# Altium PCB PCB1.PcbDoc (part 3 of 5)
Units mil, origin at the board's own origin, x right, y up, seen from the top; angles counter-clockwise.
Board outline 6250.19 x 5128.14 mil, 2 copper layers (Top Layer, Bottom Layer); 140 components, 0 nets, 729 pads, 141 vias.
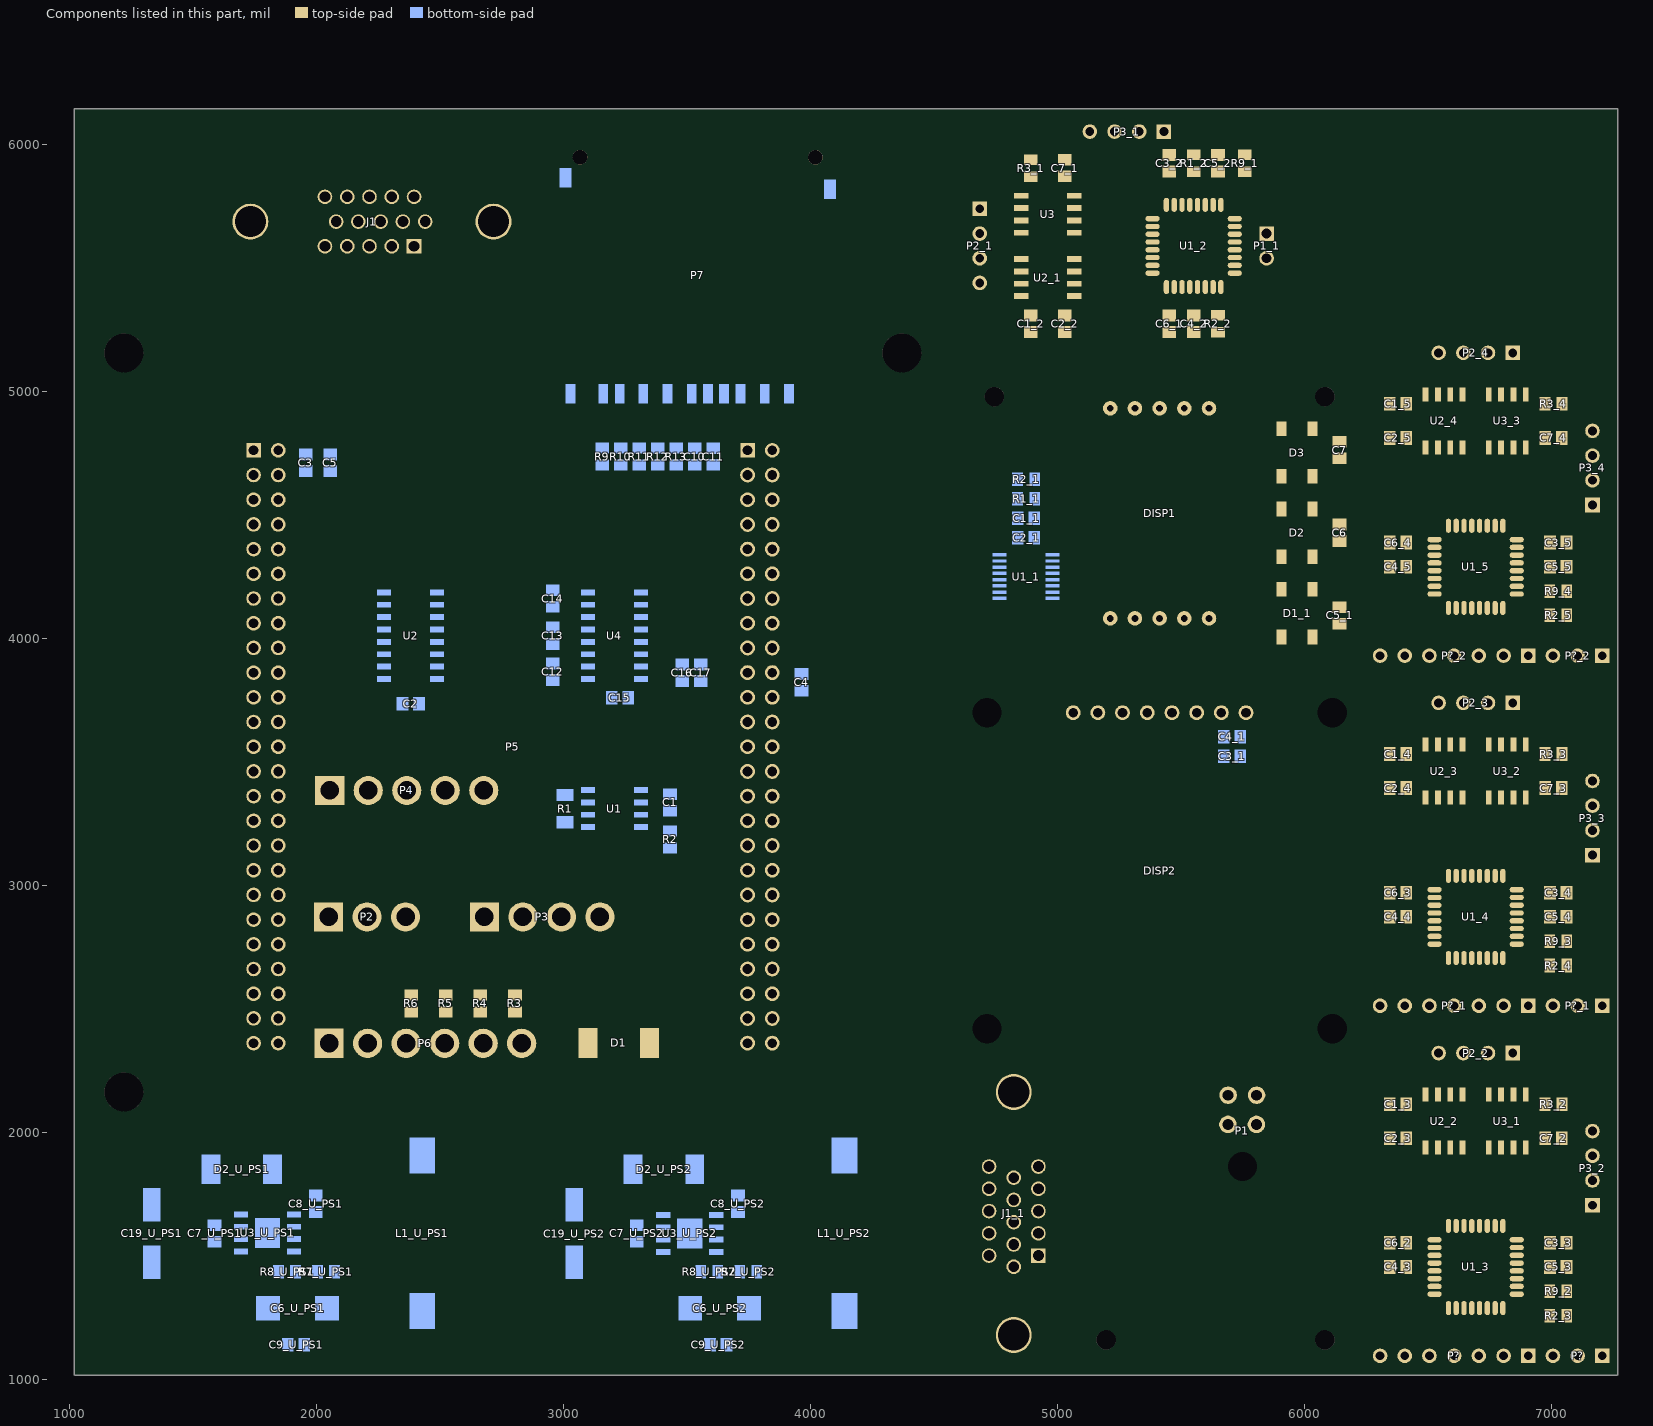
[diagram p3: the components of this part, seen from the top]

## Via types
v1: diameter 35.43/35.43 (per signal layer), hole 11.81, Top Layer to Bottom Layer, tented both sides, 115 vias
v2: diameter 47.24/47.24 (per signal layer), hole 19.68, Top Layer to Bottom Layer, tented both sides, 14 vias
v3: diameter 35.43, hole 11.81, Top Layer to Bottom Layer, tented both sides, 12 vias

## Nets (pads, with @x,y where several pads share a name; then routed paths per layer and width w, separated by ;. In a path a pad name is that pad's centre, name@x,y a point inside that pad or via, vN(x,y) a via of type N, cw(c..) or ccw(c..) an arc to the next point about the centre after c; other vN are vias at no path point) (continued)
copper on no net: (continued)
  Bottom Layer w1: 1342.35,3254.6 1342.35,3291.6 ; 1342.35,3314.6 1342.35,3384.6 ; 1342.35,3390.6 1342.35,3392.6 ; 1342.35,3431.6 1342.35,3455.6 ; 1342.35,3461.6 1342.35,3463.6 ; 1342.35,3501.6 1342.35,3628.6 ; 1343.35,3007.6 1343.35,3089.6 ; 1343.35,3136.6 1343.35,3160.6 ; 1343.35,3206.6 1343.35,3231.6 ; 1343.35,3254.6 1343.35,3291.6 ; 1343.35,3314.6 1343.35,3385.6 ; 1343.35,3390.6 1343.35,3393.6 ; 1343.35,3432.6 1343.35,3456.6 ; 1343.35,3461.6 1343.35,3464.6 ; 1343.35,3499.6 1343.35,3628.6 ; 1344.35,3007.6 1344.35,3091.6 ; 1344.35,3136.6 1344.35,3164.6 ; 1344.35,3202.6 1344.35,3231.6 ; 1344.35,3254.6 1344.35,3291.6 ; 1344.35,3314.6 1344.35,3385.6 ; 1344.35,3391.6 1344.35,3393.6 ; 1344.35,3433.6 1344.35,3456.6 ; 1344.35,3462.6 1344.35,3464.6 ; 1344.35,3498.6 1344.35,3628.6 ; 1345.35,3007.6 1345.35,3104.6 ; 1345.35,3134.6 1345.35,3171.6 ; 1345.35,3195.6 1345.35,3231.6 ; 1345.35,3252.6 1345.35,3291.6 ; 1345.35,3314.6 1345.35,3385.6 ; 1345.35,3391.6 1345.35,3394.6 ; 1345.35,3434.6 1345.35,3457.6 ; 1345.35,3463.6 1345.35,3465.6 ; 1345.35,3496.6 1345.35,3628.6 ; 1346.35,3007.6 1346.35,3385.6 ; 1346.35,3391.6 1346.35,3395.6 ; 1346.35,3436.6 1346.35,3458.6 ; 1346.35,3463.6 1346.35,3466.6 ; 1346.35,3495.6 1346.35,3628.6 ; 1347.35,3007.6 1347.35,3385.6 ; 1347.35,3391.6 1347.35,3395.6 ; 1347.35,3437.6 1347.35,3458.6 ; 1347.35,3464.6 1347.35,3466.6 ; 1347.35,3493.6 1347.35,3496.6 ; 1347.35,3500.6 1347.35,3628.6 ; 1348.35,3007.6 1348.35,3385.6 ; 1348.35,3392.6 1348.35,3396.6 ; 1348.35,3439.6 1348.35,3459.6 ; 1348.35,3464.6 1348.35,3467.6 ; 1348.35,3492.6 1348.35,3495.6 ; 1348.35,3500.6 1348.35,3628.6 ; 1349.35,3007.6 1349.35,3385.6 ; 1349.35,3392.6 1349.35,3397.6 ; 1349.35,3441.6 1349.35,3460.6 ; 1349.35,3465.6 1349.35,3467.6 ; 1349.35,3490.6 1349.35,3495.6 ; 1349.35,3501.6 1349.35,3628.6 ; 1350.35,3007.6 1350.35,3386.6 ; 1350.35,3392.6 1350.35,3398.6 ; 1350.35,3442.6 1350.35,3460.6 ; 1350.35,3465.6 1350.35,3467.6 ; 1350.35,3489.6 1350.35,3495.6 ; 1350.35,3501.6 1350.35,3628.6 ; 1351.35,3007.6 1351.35,3386.6 ; 1351.35,3392.6 1351.35,3399.6 ; 1351.35,3444.6 1351.35,3461.6 ; 1351.35,3466.6 1351.35,3468.6 ; 1351.35,3488.6 1351.35,3495.6 ; 1351.35,3501.6 1351.35,3628.6 ; 1352.35,3007.6 1352.35,3386.6 ; 1352.35,3392.6 1352.35,3400.6 ; 1352.35,3445.6 1352.35,3461.6 ; 1352.35,3467.6 1352.35,3468.6 ; 1352.35,3487.6 1352.35,3496.6 ; 1352.35,3501.6 1352.35,3628.6 ; 1353.35,3007.6 1353.35,3386.6 ; 1353.35,3392.6 1353.35,3401.6 ; 1353.35,3438.6 1353.35,3439.6 ; 1353.35,3447.6 1353.35,3462.6 ; 1353.35,3467.6 1353.35,3469.6 ; 1353.35,3486.6 1353.35,3496.6 ; 1353.35,3502.6 1353.35,3628.6 ; 1354.35,3007.6 1354.35,3386.6 ; 1354.35,3392.6 1354.35,3402.6 ; 1354.35,3439.6 1354.35,3441.6 ; 1354.35,3448.6 1354.35,3463.6 ; 1354.35,3468.6 1354.35,3469.6 ; 1354.35,3486.6 1354.35,3496.6 ; 1354.35,3502.6 1354.35,3628.6 ; 1355.35,3007.6 1355.35,3386.6 ; 1355.35,3392.6 1355.35,3403.6 ; 1355.35,3440.6 1355.35,3442.6 ; 1355.35,3450.6 1355.35,3463.6 ; 1355.35,3468.6 1355.35,3470.6 ; 1355.35,3485.6 1355.35,3497.6 ; 1355.35,3502.6 1355.35,3628.6 ; 1356.35,3007.6 1356.35,3386.6 ; 1356.35,3392.6 1356.35,3404.6 ; 1356.35,3442.6 1356.35,3443.6 ; 1356.35,3451.6 1356.35,3464.6 ; 1356.35,3469.6 1356.35,3470.6 ; 1356.35,3485.6 1356.35,3497.6 ; 1356.35,3502.6 1356.35,3628.6 ; 1357.35,3007.6 1357.35,3386.6 ; 1357.35,3392.6 1357.35,3405.6 ; 1357.35,3443.6 1357.35,3445.6 ; 1357.35,3452.6 1357.35,3464.6 ; 1357.35,3469.6 1357.35,3471.6 ; 1357.35,3484.6 1357.35,3497.6 ; 1357.35,3503.6 1357.35,3628.6 ; 1358.35,3007.6 1358.35,3387.6 ; 1358.35,3392.6 1358.35,3406.6 ; 1358.35,3444.6 1358.35,3446.6 ; 1358.35,3453.6 1358.35,3464.6 ; 1358.35,3470.6 1358.35,3471.6 ; 1358.35,3484.6 1358.35,3498.6 ; 1358.35,3503.6 1358.35,3628.6 ; 1359.35,3007.6 1359.35,3317.6 ; 1359.35,3319.6 1359.35,3387.6 ; 1359.35,3392.6 1359.35,3405.6 ; 1359.35,3446.6 1359.35,3448.6 ; 1359.35,3454.6 1359.35,3465.6 ; 1359.35,3470.6 1359.35,3472.6 ; 1359.35,3483.6 1359.35,3498.6 ; 1359.35,3503.6 1359.35,3628.6 ; 1360.35,3007.6 1360.35,3317.6 ; 1360.35,3323.6 1360.35,3387.6 ; 1360.35,3393.6 1360.35,3405.6 ; 1360.35,3447.6 1360.35,3449.6 ; 1360.35,3455.6 1360.35,3465.6 ; 1360.35,3470.6 1360.35,3472.6 ; 1360.35,3483.6 1360.35,3499.6 ; 1360.35,3504.6 1360.35,3628.6 ; 1361.35,3007.6 1361.35,3318.6 ; 1361.35,3326.6 1361.35,3387.6 ; 1361.35,3393.6 1361.35,3405.6 ; 1361.35,3449.6 1361.35,3450.6 ; 1361.35,3455.6 1361.35,3466.6 ; 1361.35,3471.6 1361.35,3472.6 ; 1361.35,3482.6 1361.35,3499.6 ; 1361.35,3504.6 1361.35,3628.6 ; 1362.35,3007.6 1362.35,3320.6 ; 1362.35,3329.6 1362.35,3387.6 ; 1362.35,3393.6 1362.35,3405.6 ; 1362.35,3450.6 1362.35,3452.6 ; 1362.35,3455.6 1362.35,3466.6 ; 1362.35,3471.6 1362.35,3473.6 ; 1362.35,3482.6 1362.35,3500.6 ; 1362.35,3505.6 1362.35,3628.6 ; 1363.35,3007.6 1363.35,3322.6 ; 1363.35,3333.6 1363.35,3382.6 ; 1363.35,3385.6 1363.35,3387.6 ; 1363.35,3393.6 1363.35,3405.6 ; 1363.35,3451.6 1363.35,3466.6 ; 1363.35,3471.6 1363.35,3473.6 ; 1363.35,3481.6 1363.35,3500.6 ; 1363.35,3505.6 1363.35,3628.6 ; 1364.35,3007.6 1364.35,3324.6 ; 1364.35,3339.6 1364.35,3372.6 ; 1364.35,3385.6 1364.35,3387.6 ; 1364.35,3393.6 1364.35,3405.6 ; 1364.35,3452.6 1364.35,3467.6 ; 1364.35,3472.6 1364.35,3473.6 ; 1364.35,3480.6 1364.35,3500.6 ; 1364.35,3506.6 1364.35,3628.6 ; 1365.35,3007.6 1365.35,3327.6 ; 1365.35,3347.6 1365.35,3362.6 ; 1365.35,3385.6 1365.35,3388.6 ; 1365.35,3394.6 1365.35,3405.6 ; 1365.35,3453.6 1365.35,3467.6 ; 1365.35,3472.6 1365.35,3473.6 ; 1365.35,3480.6 1365.35,3501.6 ; 1365.35,3506.6 1365.35,3628.6 ; 1366.35,3007.6 1366.35,3329.6 ; 1366.35,3386.6 1366.35,3388.6 ; 1366.35,3394.6 1366.35,3405.6 ; 1366.35,3447.6 1366.35,3448.6 ; 1366.35,3453.6 1366.35,3467.6 ; 1366.35,3472.6 1366.35,3474.6 ; 1366.35,3479.6 1366.35,3501.6 ; 1366.35,3507.6 1366.35,3628.6 ; 1367.35,3007.6 1367.35,3333.6 ; 1367.35,3386.6 1367.35,3388.6 ; 1367.35,3394.6 1367.35,3405.6 ; 1367.35,3448.6 1367.35,3450.6 ; 1367.35,3453.6 1367.35,3468.6 ; 1367.35,3472.6 1367.35,3474.6 ; 1367.35,3478.6 1367.35,3502.6 ; 1367.35,3507.6 1367.35,3628.6 ; 1368.35,3007.6 1368.35,3337.6 ; 1368.35,3386.6 1368.35,3388.6 ; 1368.35,3394.6 1368.35,3405.6 ; 1368.35,3448.6 1368.35,3468.6 ; 1368.35,3472.6 1368.35,3474.6 ; 1368.35,3477.6 1368.35,3502.6 ; 1368.35,3508.6 1368.35,3628.6 ; 1369.35,3007.6 1369.35,3342.6 ; 1369.35,3377.6 1369.35,3389.6 ; 1369.35,3394.6 1369.35,3404.6 ; 1369.35,3448.6 1369.35,3468.6 ; 1369.35,3472.6 1369.35,3474.6 ; 1369.35,3475.6 1369.35,3503.6 ; 1369.35,3508.6 1369.35,3628.6 ; 1370.35,3007.6 1370.35,3352.6 ; 1370.35,3368.6 1370.35,3389.6 ; 1370.35,3395.6 1370.35,3404.6 ; 1370.35,3448.6 1370.35,3468.6 ; 1370.35,3472.6 1370.35,3504.6 ; 1370.35,3509.6 1370.35,3628.6 ; 1371.35,3007.6 1371.35,3389.6 ; 1371.35,3395.6 1371.35,3404.6 ; 1371.35,3410.6 1371.35,3411.6 ; 1371.35,3448.6 1371.35,3468.6 ; 1371.35,3472.6 1371.35,3504.6 ; 1371.35,3509.6 1371.35,3628.6 ; 1372.35,3007.6 1372.35,3390.6 ; 1372.35,3395.6 1372.35,3404.6 ; 1372.35,3409.6 1372.35,3411.6 ; 1372.35,3448.6 1372.35,3468.6 ; 1372.35,3472.6 1372.35,3505.6 ; 1372.35,3510.6 1372.35,3628.6 ; 1373.35,3007.6 1373.35,3390.6 ; 1373.35,3395.6 1373.35,3404.6 ; 1373.35,3409.6 1373.35,3412.6 ; 1373.35,3449.6 1373.35,3462.6 ; 1373.35,3465.6 1373.35,3467.6 ; 1373.35,3472.6 1373.35,3505.6 ; 1373.35,3510.6 1373.35,3628.6 ; 1374.35,3007.6 1374.35,3390.6 ; 1374.35,3396.6 1374.35,3403.6 ; 1374.35,3409.6 1374.35,3413.6 ; 1374.35,3449.6 1374.35,3462.6 ; 1374.35,3466.6 1374.35,3467.6 ; 1374.35,3472.6 1374.35,3506.6 ; 1374.35,3511.6 1374.35,3628.6 ; 1375.35,3007.6 1375.35,3390.6 ; 1375.35,3396.6 1375.35,3403.6 ; 1375.35,3409.6 1375.35,3414.6 ; 1375.35,3449.6 1375.35,3462.6 ; 1375.35,3466.6 1375.35,3467.6 ; 1375.35,3472.6 1375.35,3506.6 ; 1375.35,3512.6 1375.35,3628.6 ; 1376.35,3007.6 1376.35,3391.6 ; 1376.35,3396.6 1376.35,3403.6 ; 1376.35,3408.6 1376.35,3414.6 ; 1376.35,3449.6 1376.35,3462.6 ; 1376.35,3466.6 1376.35,3467.6 ; 1376.35,3472.6 1376.35,3507.6 ; 1376.35,3513.6 1376.35,3628.6 ; 1377.35,3007.6 1377.35,3391.6 ; 1377.35,3396.6 1377.35,3403.6 ; 1377.35,3408.6 1377.35,3415.6 ; 1377.35,3449.6 1377.35,3462.6 ; 1377.35,3471.6 1377.35,3507.6 ; 1377.35,3514.6 1377.35,3628.6 ; 1378.35,3007.6 1378.35,3391.6 ; 1378.35,3396.6 1378.35,3403.6 ; 1378.35,3408.6 1378.35,3416.6 ; 1378.35,3449.6 1378.35,3462.6 ; 1378.35,3471.6 1378.35,3508.6 ; 1378.35,3516.6 1378.35,3628.6 ; 1379.35,3007.6 1379.35,3391.6 ; 1379.35,3396.6 1379.35,3403.6 ; 1379.35,3407.6 1379.35,3417.6 ; 1379.35,3449.6 1379.35,3462.6 ; 1379.35,3471.6 1379.35,3509.6 ; 1379.35,3520.6 1379.35,3628.6 ; 1380.35,3007.6 1380.35,3391.6 ; 1380.35,3396.6 1380.35,3403.6 ; 1380.35,3407.6 1380.35,3418.6 ; 1380.35,3449.6 1380.35,3462.6 ; 1380.35,3470.6 1380.35,3509.6 ; 1380.35,3523.6 1380.35,3628.6 ; 1381.35,3007.6 1381.35,3391.6 ; 1381.35,3396.6 1381.35,3402.6 ; 1381.35,3407.6 1381.35,3418.6 ; 1381.35,3449.6 1381.35,3462.6 ; 1381.35,3470.6 1381.35,3510.6 ; 1381.35,3527.6 1381.35,3628.6 ; 1382.35,3007.6 1382.35,3390.6 ; 1382.35,3396.6 1382.35,3402.6 ; 1382.35,3407.6 1382.35,3419.6 ; 1382.35,3449.6 1382.35,3462.6 ; 1382.35,3470.6 1382.35,3511.6 ; 1382.35,3531.6 1382.35,3628.6 ; 1383.35,3007.6 1383.35,3390.6 ; 1383.35,3396.6 1383.35,3402.6 ; 1383.35,3407.6 1383.35,3420.6 ; 1383.35,3449.6 1383.35,3463.6 ; 1383.35,3469.6 1383.35,3511.6 ; 1383.35,3535.6 1383.35,3628.6 ; 1384.35,3007.6 1384.35,3390.6 ; 1384.35,3395.6 1384.35,3402.6 ; 1384.35,3407.6 1384.35,3421.6 ; 1384.35,3449.6 1384.35,3463.6 ; 1384.35,3469.6 1384.35,3512.6 ; 1384.35,3518.6 1384.35,3521.6 ; 1384.35,3539.6 1384.35,3628.6 ; 1385.35,3007.6 1385.35,3390.6 ; 1385.35,3395.6 1385.35,3402.6 ; 1385.35,3407.6 1385.35,3421.6 ; 1385.35,3450.6 1385.35,3463.6 ; 1385.35,3468.6 1385.35,3513.6 ; 1385.35,3519.6 1385.35,3525.6 ; 1385.35,3545.6 1385.35,3628.6 ; 1386.35,3007.6 1386.35,3389.6 ; 1386.35,3395.6 1386.35,3403.6 ; 1386.35,3407.6 1386.35,3422.6 ; 1386.35,3450.6 1386.35,3463.6 ; 1386.35,3468.6 1386.35,3513.6 ; 1386.35,3520.6 1386.35,3529.6 ; 1386.35,3551.6 1386.35,3628.6 ; 1387.35,3007.6 1387.35,3389.6 ; 1387.35,3395.6 1387.35,3403.6 ; 1387.35,3407.6 1387.35,3423.6 ; 1387.35,3450.6 1387.35,3463.6 ; 1387.35,3469.6 1387.35,3514.6 ; 1387.35,3521.6 1387.35,3532.6 ; 1387.35,3557.6 1387.35,3628.6 ; 1388.35,3007.6 1388.35,3389.6 ; 1388.35,3395.6 1388.35,3403.6 ; 1388.35,3407.6 1388.35,3424.6 ; 1388.35,3450.6 1388.35,3463.6 ; 1388.35,3469.6 1388.35,3515.6 ; 1388.35,3521.6 1388.35,3536.6 ; 1388.35,3567.6 1388.35,3582.6 ; 1388.35,3592.6 1388.35,3628.6 ; 1389.35,3007.6 1389.35,3389.6 ; 1389.35,3395.6 1389.35,3403.6 ; 1389.35,3407.6 1389.35,3421.6 ; 1389.35,3423.6 1389.35,3425.6 ; 1389.35,3450.6 1389.35,3463.6 ; 1389.35,3469.6 1389.35,3516.6 ; 1389.35,3521.6 1389.35,3541.6 ; 1389.35,3592.6 1389.35,3628.6 ; 1390.35,3007.6 1390.35,3389.6 ; 1390.35,3395.6 1390.35,3403.6 ; 1390.35,3408.6 1390.35,3419.6 ; 1390.35,3424.6 1390.35,3426.6 ; 1390.35,3450.6 1390.35,3463.6 ; 1390.35,3469.6 1390.35,3517.6 ; 1390.35,3521.6 1390.35,3548.6 ; 1390.35,3588.6 1390.35,3628.6 ; 1391.35,3007.6 1391.35,3389.6 ; 1391.35,3395.6 1391.35,3403.6 ; 1391.35,3408.6 1391.35,3418.6 ; 1391.35,3425.6 1391.35,3427.6 ; 1391.35,3450.6 1391.35,3463.6 ; 1391.35,3469.6 1391.35,3556.6 ; 1391.35,3580.6 1391.35,3628.6 ; 1392.35,3007.6 1392.35,3389.6 ; 1392.35,3395.6 1392.35,3403.6 ; 1392.35,3408.6 1392.35,3416.6 ; 1392.35,3426.6 1392.35,3428.6 ; 1392.35,3450.6 1392.35,3463.6 ; 1392.35,3469.6 1392.35,3628.6 ; 1393.35,3007.6 1393.35,3389.6 ; 1393.35,3395.6 1393.35,3403.6 ; 1393.35,3408.6 1393.35,3415.6 ; 1393.35,3427.6 1393.35,3429.6 ; 1393.35,3450.6 1393.35,3464.6 ; 1393.35,3469.6 1393.35,3628.6 ; 1394.35,3007.6 1394.35,3389.6 ; 1394.35,3395.6 1394.35,3403.6 ; 1394.35,3408.6 1394.35,3413.6 ; 1394.35,3427.6 1394.35,3431.6 ; 1394.35,3450.6 1394.35,3464.6 ; 1394.35,3469.6 1394.35,3628.6 ; 1395.35,3007.6 1395.35,3389.6 ; 1395.35,3395.6 1395.35,3403.6 ; 1395.35,3408.6 1395.35,3411.6 ; 1395.35,3422.6 1395.35,3432.6 ; 1395.35,3450.6 1395.35,3464.6 ; 1395.35,3469.6 1395.35,3628.6 ; 1396.35,3007.6 1396.35,3389.6 ; 1396.35,3395.6 1396.35,3404.6 ; 1396.35,3408.6 1396.35,3410.6 ; 1396.35,3420.6 1396.35,3433.6 ; 1396.35,3450.6 1396.35,3464.6 ; 1396.35,3469.6 1396.35,3628.6 ; 1397.35,3007.6 1397.35,3383.6 ; 1397.35,3387.6 1397.35,3389.6 ; 1397.35,3395.6 1397.35,3404.6 ; 1397.35,3408.6 1397.35,3409.6 ; 1397.35,3419.6 1397.35,3435.6 ; 1397.35,3450.6 1397.35,3464.6 ; 1397.35,3469.6 1397.35,3628.6 ; 1398.35,3007.6 1398.35,3381.6 ; 1398.35,3387.6 1398.35,3389.6 ; 1398.35,3394.6 1398.35,3404.6 ; 1398.35,3408.6 1398.35,3409.6 ; 1398.35,3417.6 1398.35,3436.6 ; 1398.35,3450.6 1398.35,3464.6 ; 1398.35,3469.6 1398.35,3628.6 ; 1399.35,3007.6 1399.35,3378.6 ; 1399.35,3387.6 1399.35,3389.6 ; 1399.35,3392.6 1399.35,3394.6 ; 1399.35,3395.6 1399.35,3404.6 ; 1399.35,3408.6 1399.35,3409.6 ; 1399.35,3416.6 1399.35,3438.6 ; 1399.35,3451.6 1399.35,3464.6 ; 1399.35,3469.6 1399.35,3628.6 ; 1400.35,3007.6 1400.35,3376.6 ; 1400.35,3387.6 1400.35,3393.6 ; 1400.35,3396.6 1400.35,3404.6 ; 1400.35,3408.6 1400.35,3409.6 ; 1400.35,3415.6 1400.35,3439.6 ; 1400.35,3451.6 1400.35,3464.6 ; 1400.35,3468.6 1400.35,3628.6 ; 1401.35,3007.6 1401.35,3373.6 ; 1401.35,3387.6 1401.35,3389.6 ; 1401.35,3391.6 1401.35,3393.6 ; 1401.35,3397.6 1401.35,3404.6 ; 1401.35,3408.6 1401.35,3409.6 ; 1401.35,3414.6 1401.35,3441.6 ; 1401.35,3451.6 1401.35,3464.6 ; 1401.35,3468.6 1401.35,3628.6 ; 1402.35,3007.6 1402.35,3371.6 ; 1402.35,3386.6 1402.35,3389.6 ; 1402.35,3393.6 1402.35,3394.6 ; 1402.35,3398.6 1402.35,3404.6 ; 1402.35,3408.6 1402.35,3409.6 ; 1402.35,3413.6 1402.35,3443.6 ; 1402.35,3452.6 1402.35,3463.6 ; 1402.35,3468.6 1402.35,3628.6 ; 1403.35,3007.6 1403.35,3368.6 ; 1403.35,3384.6 1403.35,3390.6 ; 1403.35,3399.6 1403.35,3403.6 ; 1403.35,3408.6 1403.35,3409.6 ; 1403.35,3411.6 1403.35,3446.6 ; 1403.35,3452.6 1403.35,3463.6 ; 1403.35,3468.6 1403.35,3628.6 ; 1404.35,3007.6 1404.35,3365.6 ; 1404.35,3382.6 1404.35,3391.6 ; 1404.35,3400.6 1404.35,3403.6 ; 1404.35,3408.6 1404.35,3409.6 ; 1404.35,3410.6 1404.35,3446.6 ; 1404.35,3452.6 1404.35,3463.6 ; 1404.35,3468.6 1404.35,3628.6 ; 1405.35,3007.6 1405.35,3362.6 ; 1405.35,3380.6 1405.35,3392.6 ; 1405.35,3401.6 1405.35,3402.6 ; 1405.35,3407.6 1405.35,3446.6 ; 1405.35,3453.6 1405.35,3463.6 ; 1405.35,3468.6 1405.35,3628.6 ; 1406.35,3007.6 1406.35,3359.6 ; 1406.35,3378.6 1406.35,3393.6 ; 1406.35,3407.6 1406.35,3447.6 ; 1406.35,3453.6 1406.35,3463.6 ; 1406.35,3468.6 1406.35,3628.6 ; 1407.35,3007.6 1407.35,3356.6 ; 1407.35,3375.6 1407.35,3394.6 ; 1407.35,3407.6 1407.35,3447.6 ; 1407.35,3453.6 1407.35,3463.6 ; 1407.35,3468.6 1407.35,3628.6 ; 1408.35,3007.6 1408.35,3352.6 ; 1408.35,3372.6 1408.35,3396.6 ; 1408.35,3406.6 1408.35,3447.6 ; 1408.35,3454.6 1408.35,3463.6 ; 1408.35,3468.6 1408.35,3628.6 ; 1409.35,3007.6 1409.35,3349.6 ; 1409.35,3369.6 1409.35,3394.6 ; 1409.35,3396.6 1409.35,3398.6 ; 1409.35,3405.6 1409.35,3448.6 ; 1409.35,3454.6 1409.35,3463.6 ; 1409.35,3468.6 1409.35,3470.6 ; 1409.35,3474.6 1409.35,3628.6 ; 1410.35,3007.6 1410.35,3346.6 ; 1410.35,3366.6 1410.35,3392.6 ; 1410.35,3398.6 1410.35,3448.6 ; 1410.35,3455.6 1410.35,3463.6 ; 1410.35,3468.6 1410.35,3470.6 ; 1410.35,3477.6 1410.35,3628.6 ; 1411.35,3007.6 1411.35,3342.6 ; 1411.35,3363.6 1411.35,3390.6 ; 1411.35,3400.6 1411.35,3449.6 ; 1411.35,3455.6 1411.35,3464.6 ; 1411.35,3469.6 1411.35,3470.6 ; 1411.35,3479.6 1411.35,3628.6 ; 1412.35,3007.6 1412.35,3338.6 ; 1412.35,3359.6 1412.35,3388.6 ; 1412.35,3400.6 1412.35,3449.6 ; 1412.35,3455.6 1412.35,3464.6 ; 1412.35,3469.6 1412.35,3470.6 ; 1412.35,3482.6 1412.35,3628.6 ; 1413.35,3007.6 1413.35,3335.6 ; 1413.35,3356.6 1413.35,3386.6 ; 1413.35,3399.6 1413.35,3450.6 ; 1413.35,3456.6 1413.35,3465.6 ; 1413.35,3470.6 1413.35,3471.6 ; 1413.35,3484.6 1413.35,3628.6 ; 1414.35,3007.6 1414.35,3331.6 ; 1414.35,3352.6 1414.35,3383.6 ; 1414.35,3397.6 1414.35,3450.6 ; 1414.35,3456.6 1414.35,3465.6 ; 1414.35,3470.6 1414.35,3471.6 ; 1414.35,3487.6 1414.35,3628.6 ; 1415.35,3007.6 1415.35,3327.6 ; 1415.35,3348.6 1415.35,3380.6 ; 1415.35,3395.6 1415.35,3451.6 ; 1415.35,3457.6 1415.35,3466.6 ; 1415.35,3470.6 1415.35,3471.6 ; 1415.35,3489.6 1415.35,3628.6 ; 1416.35,3007.6 1416.35,3322.6 ; 1416.35,3345.6 1416.35,3378.6 ; 1416.35,3393.6 1416.35,3451.6 ; 1416.35,3457.6 1416.35,3466.6 ; 1416.35,3471.6 1416.35,3472.6 ; 1416.35,3491.6 1416.35,3628.6 ; 1417.35,3007.6 1417.35,3318.6 ; 1417.35,3341.6 1417.35,3375.6 ; 1417.35,3391.6 1417.35,3452.6 ; 1417.35,3458.6 1417.35,3469.6 ; 1417.35,3471.6 1417.35,3472.6 ; 1417.35,3494.6 1417.35,3628.6 ; 1418.35,3007.6 1418.35,3313.6 ; 1418.35,3337.6 1418.35,3372.6 ; 1418.35,3388.6 1418.35,3453.6 ; 1418.35,3459.6 1418.35,3474.6 ; 1418.35,3496.6 1418.35,3628.6 ; 1419.35,3007.6 1419.35,3308.6 ; 1419.35,3333.6 1419.35,3368.6 ; 1419.35,3386.6 1419.35,3453.6 ; 1419.35,3459.6 1419.35,3478.6 ; 1419.35,3498.6 1419.35,3628.6 ; 1420.35,3007.6 1420.35,3302.6 ; 1420.35,3329.6 1420.35,3365.6 ; 1420.35,3383.6 1420.35,3454.6 ; 1420.35,3460.6 1420.35,3469.6 ; 1420.35,3471.6 1420.35,3481.6 ; 1420.35,3500.6 1420.35,3628.6 ; 1421.35,3007.6 1421.35,3297.6 ; 1421.35,3324.6 1421.35,3361.6 ; 1421.35,3379.6 1421.35,3455.6 ; 1421.35,3461.6 1421.35,3468.6 ; 1421.35,3471.6 1421.35,3472.6 ; 1421.35,3474.6 1421.35,3484.6 ; 1421.35,3502.6 1421.35,3628.6 ; 1422.35,3007.6 1422.35,3292.6 ; 1422.35,3320.6 1422.35,3358.6 ; 1422.35,3376.6 1422.35,3455.6 ; 1422.35,3461.6 1422.35,3466.6 ; 1422.35,3474.6 1422.35,3487.6 ; 1422.35,3505.6 1422.35,3628.6 ; 1423.35,3007.6 1423.35,3287.6 ; 1423.35,3315.6 1423.35,3354.6 ; 1423.35,3373.6 1423.35,3456.6 ; 1423.35,3463.6 1423.35,3465.6 ; 1423.35,3474.6 1423.35,3490.6 ; 1423.35,3507.6 1423.35,3628.6 ; 1424.35,3007.6 1424.35,3281.6 ; 1424.35,3310.6 1424.35,3350.6 ; 1424.35,3369.6 1424.35,3457.6 ; 1424.35,3474.6 1424.35,3492.6 ; 1424.35,3509.6 1424.35,3628.6 ; 1425.35,3007.6 1425.35,3276.6 ; 1425.35,3305.6 1425.35,3346.6 ; 1425.35,3365.6 1425.35,3458.6 ; 1425.35,3473.6 1425.35,3495.6 ; 1425.35,3511.6 1425.35,3628.6 ; 1426.35,3007.6 1426.35,3271.6 ; 1426.35,3299.6 1426.35,3341.6 ; 1426.35,3361.6 1426.35,3458.6 ; 1426.35,3471.6 1426.35,3498.6 ; 1426.35,3513.6 1426.35,3628.6 ; 1427.35,3007.6 1427.35,3265.6 ; 1427.35,3294.6 1427.35,3337.6 ; 1427.35,3357.6 1427.35,3460.6 ; 1427.35,3469.6 1427.35,3471.6 ; 1427.35,3475.6 1427.35,3500.6 ; 1427.35,3516.6 1427.35,3628.6 ; 1428.35,3007.6 1428.35,3260.6 ; 1428.35,3288.6 1428.35,3332.6 ; 1428.35,3353.6 1428.35,3461.6 ; 1428.35,3467.6 1428.35,3469.6 ; 1428.35,3479.6 1428.35,3502.6 ; 1428.35,3518.6 1428.35,3628.6 ; 1429.35,3007.6 1429.35,3254.6 ; 1429.35,3282.6 1429.35,3327.6 ; 1429.35,3349.6 1429.35,3465.6 ; 1429.35,3482.6 1429.35,3505.6 ; 1429.35,3520.6 1429.35,3628.6 ; 1430.35,3007.6 1430.35,3248.6 ; 1430.35,3275.6 1430.35,3322.6 ; 1430.35,3345.6 1430.35,3465.6 ; 1430.35,3486.6 1430.35,3507.6 ; 1430.35,3522.6 1430.35,3628.6 ; 1431.35,3007.6 1431.35,3242.6 ; 1431.35,3269.6 1431.35,3317.6 ; 1431.35,3340.6 1431.35,3466.6 ; 1431.35,3489.6 1431.35,3509.6 ; 1431.35,3524.6 1431.35,3628.6 ; 1432.35,3007.6 1432.35,3234.6 ; 1432.35,3261.6 1432.35,3311.6 ; 1432.35,3336.6 1432.35,3469.6 ; 1432.35,3492.6 1432.35,3512.6 ; 1432.35,3526.6 1432.35,3628.6 ; 1433.35,3007.6 1433.35,3225.6 ; 1433.35,3252.6 1433.35,3305.6 ; 1433.35,3331.6 1433.35,3473.6 ; 1433.35,3495.6 1433.35,3514.6 ; 1433.35,3528.6 1433.35,3628.6 ; 1434.35,3007.6 1434.35,3225.6 ; 1434.35,3241.6 1434.35,3299.6 ; 1434.35,3326.6 1434.35,3477.6 ; 1434.35,3498.6 1434.35,3516.6 ; 1434.35,3530.6 1434.35,3628.6 ; 1435.35,3007.6 1435.35,3293.6 ; 1435.35,3321.6 1435.35,3480.6 ; 1435.35,3500.6 1435.35,3518.6 ; 1435.35,3532.6 1435.35,3628.6 ; 1436.35,3007.6 1436.35,3287.6 ; 1436.35,3316.6 1436.35,3484.6 ; 1436.35,3503.6 1436.35,3520.6 ; 1436.35,3534.6 1436.35,3628.6 ; 1437.35,3007.6 1437.35,3280.6 ; 1437.35,3311.6 1437.35,3488.6 ; 1437.35,3505.6 1437.35,3522.6 ; 1437.35,3536.6 1437.35,3628.6 ; 1438.35,3007.6 1438.35,3272.6 ; 1438.35,3305.6 1438.35,3491.6 ; 1438.35,3508.6 1438.35,3524.6 ; 1438.35,3537.6 1438.35,3628.6 ; 1439.35,3007.6 1439.35,3264.6 ; 1439.35,3299.6 1439.35,3494.6 ; 1439.35,3510.6 